# Altium PCB relay_matrix.PcbDoc (part 3 of 9) (continued)
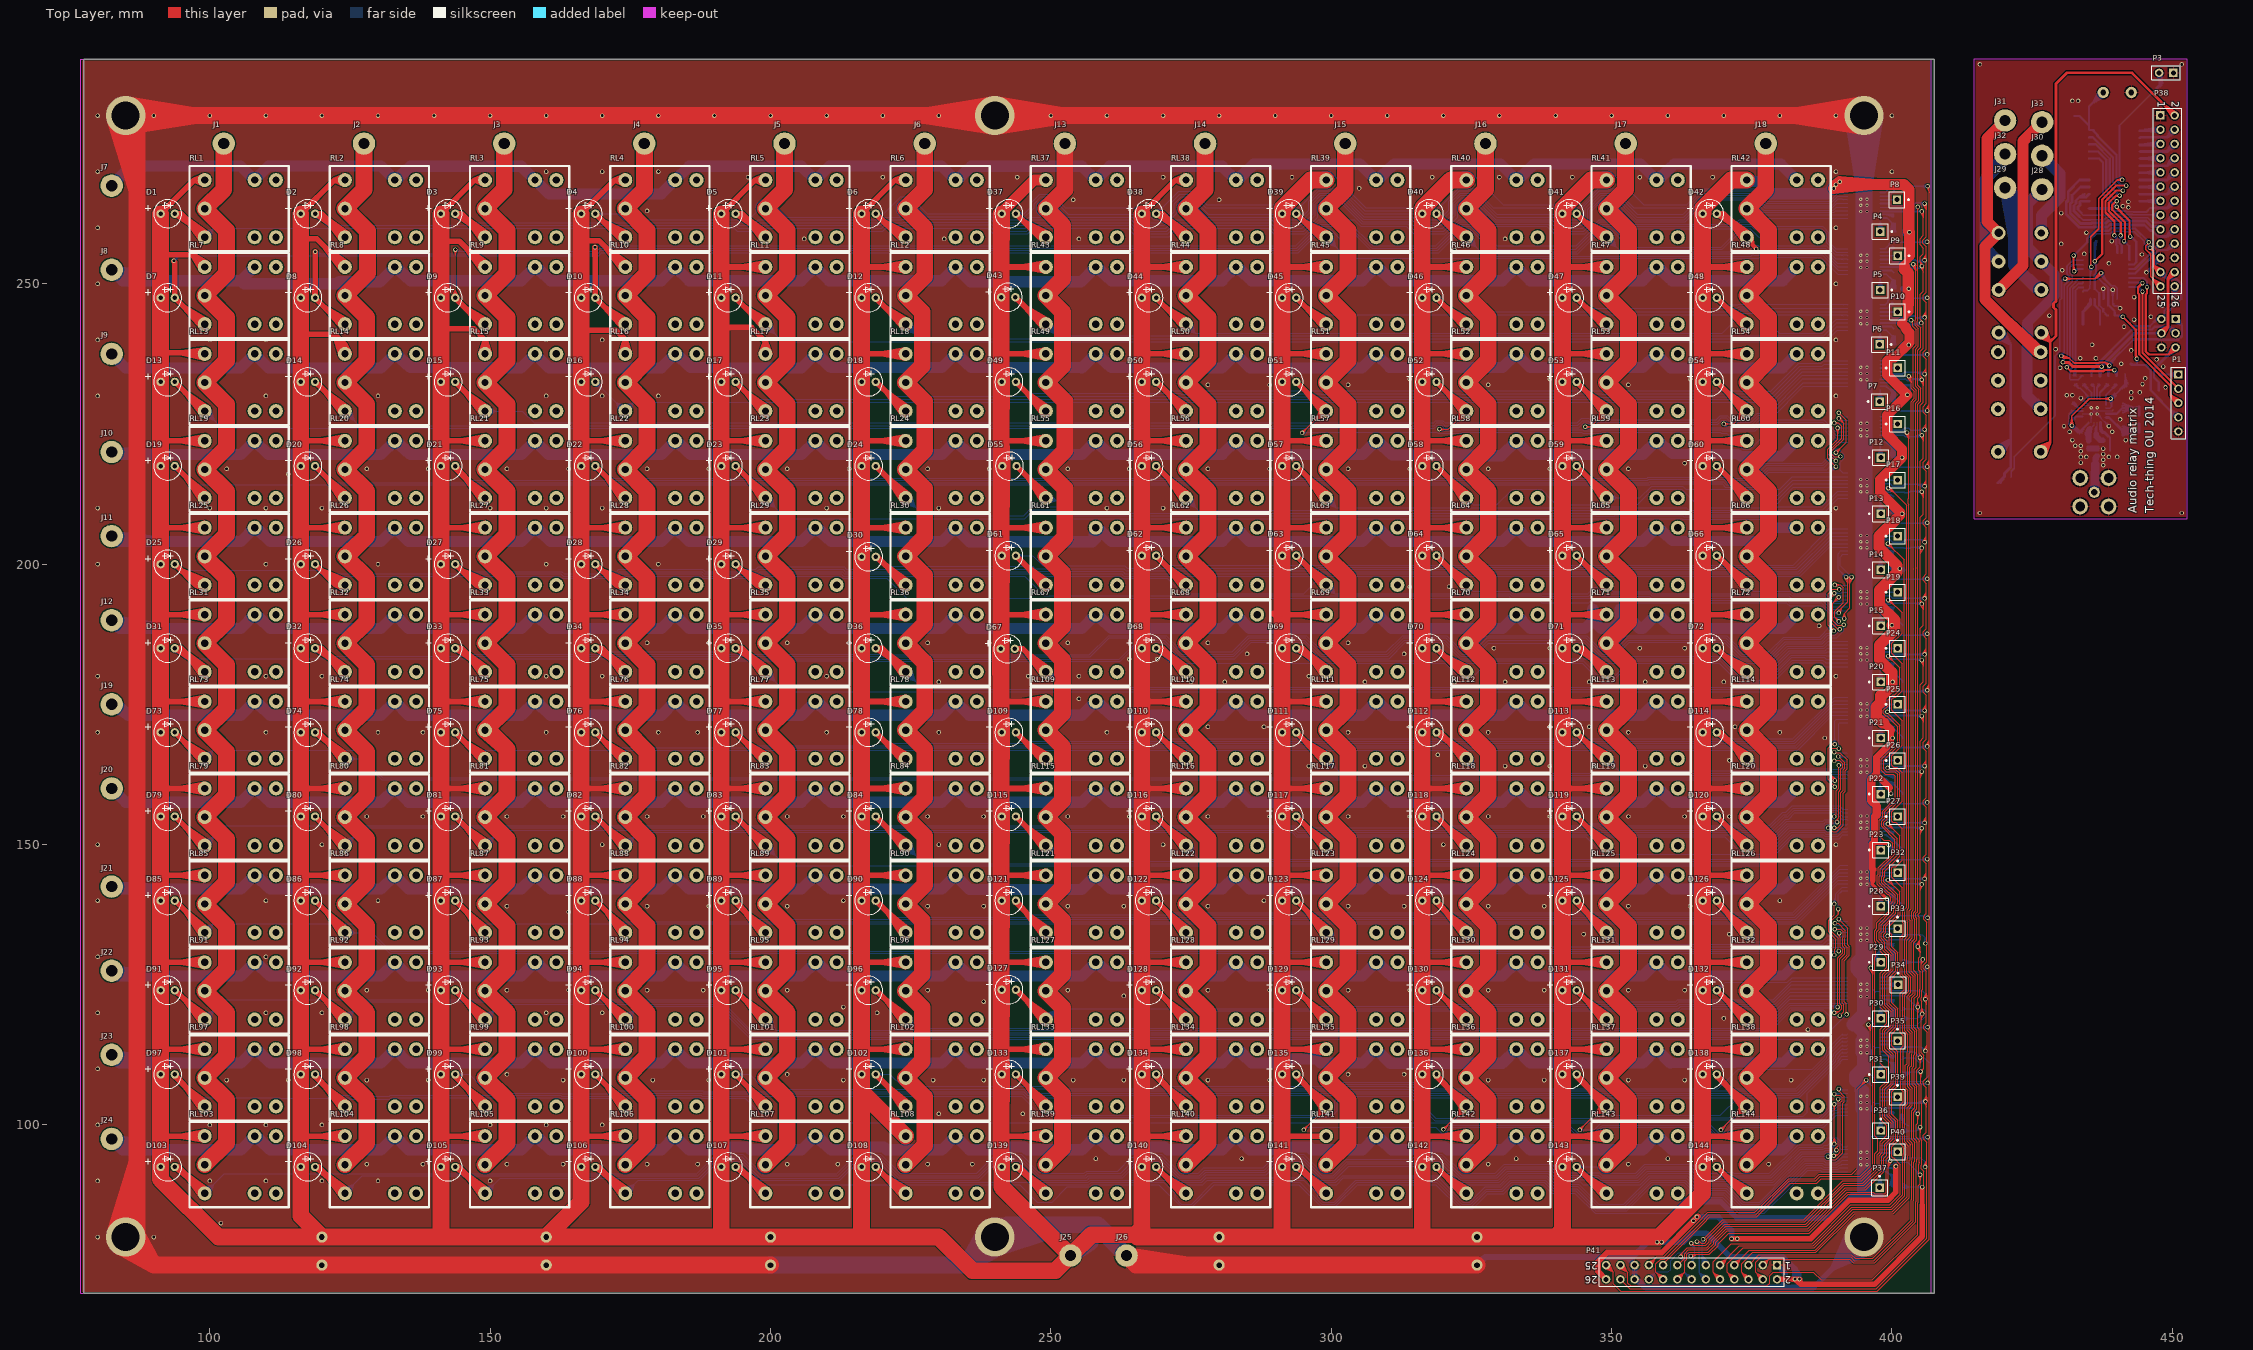
[diagram p0: Top Layer view]
## Nets (pads, with @x,y where several pads share a name; then routed paths per layer and width w, separated by ;. In a path a pad name is that pad's centre, name@x,y a point inside that pad or via, vN(x,y) a via of type N, cw(c..) or ccw(c..) an arc to the next point about the centre after c; other vN are vias at no path point) (continued)
  Bottom Layer w0.2: RL1.3@98.52,259.293 100.7,259.9 ; RL1.3@98.584,259.098 100.7,259.9 ; RL1.3@98.665,258.911 100.7,259.9 ; RL1.3@98.761,258.733 100.7,259.9 ; RL1.3@98.872,258.566 100.7,259.9 ; RL1.3@98.997,258.41 100.7,259.9 ; RL1.3@99.1,258.3 100.7,259.9 ; RL1.3@99.21,258.198 100.7,259.9 ; RL1.3@99.366,258.072 100.7,259.9 ; RL1.3@99.533,257.961 100.7,259.9 ; RL1.3@99.711,257.865 100.7,259.9 ; RL1.3@99.898,257.784 100.7,259.9 ; RL1.3@100.093,257.72 100.7,259.9 ; 390.5,261.725 U1.2@391.275,261.725 ; U1.2@392.1,261.725 377.233,261.725 376.558,261.05 372.961,261.05 372.161,260.25 351.605,260.25 350.405,261.45 347.795,261.45 345.245,258.9 339.739,258.9 338.389,260.25 326.605,260.25 325.405,261.45 322.795,261.45 320.245,258.9 314.739,258.9 313.339,260.3 305.247,260.3 304.097,261.45 297.795,261.45 295.245,258.9 289.739,258.9 288.739,259.9 272.58,259.9 271.08,258.4 265.239,258.4 263.739,259.9 246.873,259.9 245.873,258.9 239.739,258.9 238.739,259.9 220.554,259.9 220.054,259.4 214.946,259.4 214.446,259.9 198.437,259.9 197.937,259.4 194.042,259.4 193.542,259.9 100.7,259.9
CONTROL_1: D2.2 RL2.3 U1.3 | length 332.8
  Top Layer w1: 122.284,260.116 D2.2@118.77,262.5 ; RL2.3@123.53,257.813 120.729,261.671 ; RL2.3@124.587,258.87 120.729,261.671 ; D2.2@118.77,262.5 119.9,262.5 ; D2.2@118.77,262.5 119.9,262.5 ; 119.9,262.5 RL2.3@124.1,258.3 120.729,261.671
  Bottom Layer w0.2: D2.2@118.409,261.959 119.944,261.326 ; D2.2@118.498,262.142 119.944,261.326 ; D2.2@118.607,262.31 119.944,261.326 ; D2.2@118.77,262.5 120.87,260.4 193.749,260.4 194.249,259.9 197.73,259.9 198.23,260.4 214.653,260.4 215.153,259.9 219.847,259.9 220.347,260.4 223.793,260.4 223.893,260.5 238.846,260.5 239.946,259.4 245.666,259.4 246.666,260.4 263.946,260.4 265.446,258.9 270.873,258.9 272.373,260.4 288.946,260.4 289.946,259.4 295.054,259.4 297.55,261.896 297.55,264.042 298.458,264.95 301.163,264.95 305.413,260.7 313.646,260.7 314.946,259.4 320.054,259.4 322.55,261.896 322.55,264.042 323.458,264.95 324.742,264.95 329.042,260.65 338.696,260.65 339.946,259.4 345.054,259.4 346.5,260.846 346.5,262.992 348.458,264.95 349.742,264.95 354.042,260.65 371.995,260.65 372.795,261.45 376.392,261.45 377.292,262.35 392.075,262.35 U1.3@392.1,262.375 ; D2.2@118.96,262.663 119.944,261.326 ; D2.2@119.128,262.772 119.944,261.326 ; D2.2@119.311,262.861 119.944,261.326 ; 390.5,262.35 U1.3@391.275,262.375
CONTROL_2: D3.2 RL3.3 U1.4 | length 309.1
  Top Layer w1: 147.284,260.116 D3.2@143.77,262.5 ; RL3.3@148.53,257.813 145.729,261.671 ; RL3.3@149.587,258.87 145.729,261.671 ; D3.2@143.77,262.5 144.9,262.5 ; D3.2@143.77,262.5 144.9,262.5 ; 144.9,262.5 RL3.3@149.1,258.3 145.729,261.671
  Bottom Layer w0.2: D3.2@143.409,261.959 144.944,261.326 ; D3.2@143.498,262.142 144.944,261.326 ; D3.2@143.607,262.31 144.944,261.326 ; D3.2@143.77,262.5 145.37,260.9 182.586,260.9 193.956,260.9 194.456,260.4 197.523,260.4 198.023,260.9 214.86,260.9 215.36,260.4 219.64,260.4 220.14,260.9 223.586,260.9 223.686,261 239.053,261 240.153,259.9 245.459,259.9 246.459,260.9 264.153,260.9 265.653,259.4 270.666,259.4 272.166,260.9 289.153,260.9 290.153,259.9 294.847,259.9 297.15,262.203 297.15,264.208 298.292,265.35 301.328,265.35 305.578,261.1 313.953,261.1 315.153,259.9 319.847,259.9 322.15,262.203 322.15,264.208 323.292,265.35 324.908,265.35 329.208,261.05 339.003,261.05 340.153,259.9 344.847,259.9 346.1,261.153 346.1,263.158 348.292,265.35 349.908,265.35 354.208,261.05 363.15,261.05 367.05,264.95 374.742,264.95 376.942,262.75 389.717,262.75 389.992,263.025 U1.4@392.1,263.025 ; D3.2@143.96,262.663 144.944,261.326 ; D3.2@144.128,262.772 144.944,261.326 ; D3.2@144.311,262.861 144.944,261.326 ; 390.5,263.025 U1.4@391.275,263.025
CONTROL_3: D4.2 RL4.3 U1.5 | length 276.6
  Top Layer w1: D4.2@168.77,262.5 172.97,258.3 RL4.3@174.1,258.3 170.147,261.123 ; RL4.3@173.618,257.725 170.147,261.123 ; RL4.3@174.487,258.942 170.147,261.123
  Bottom Layer w0.2: D4.2@168.77,262.5 172.737,262.5 173.837,261.4 182.379,261.4 194.163,261.4 194.663,260.9 197.316,260.9 197.816,261.4 215.067,261.4 215.567,260.9 219.433,260.9 219.933,261.4 223.379,261.4 223.479,261.5 239.26,261.5 240.36,260.4 245.251,260.4 246.251,261.4 264.36,261.4 265.86,259.9 270.459,259.9 271.959,261.4 289.36,261.4 290.36,260.4 294.64,260.4 296.75,262.51 296.75,264.373 298.127,265.75 301.494,265.75 305.744,261.5 314.26,261.5 315.36,260.4 319.64,260.4 321.75,262.51 321.75,264.373 323.127,265.75 325.073,265.75 329.373,261.45 339.31,261.45 340.36,260.4 344.64,260.4 345.7,261.46 345.7,263.323 348.127,265.75 350.073,265.75 354.373,261.45 362.984,261.45 366.884,265.35 374.908,265.35 377.108,263.15 389.551,263.15 390.076,263.675 U1.5@392.1,263.675 ; D4.2@168.793,262.251 170.12,262.5 ; D4.2@168.793,262.749 170.12,262.5 ; D4.2@168.845,262.056 170.12,262.5 ; D4.2@168.845,262.944 170.12,262.5 ; D4.2@168.926,261.869 170.12,262.5 ; D4.2@168.926,263.131 170.12,262.5 ; 390.5,263.675 U1.5@391.275,263.675
CONTROL_4: D5.2 RL5.3 U1.6 | length 264.1
  Top Layer w1: 197.284,260.116 D5.2@193.77,262.5 ; RL5.3@198.53,257.813 195.729,261.671 ; RL5.3@199.587,258.87 195.729,261.671 ; D5.2@193.77,262.5 194.9,262.5 ; D5.2@193.77,262.5 194.9,262.5 ; 194.9,262.5 RL5.3@199.1,258.3 195.729,261.671
  Bottom Layer w0.2: D5.2@193.77,262.5 194.87,261.4 196.163,261.4 197.5,262.737 197.5,264.063 198.437,265 199.763,265 202.863,261.9 215.274,261.9 215.774,261.4 219.226,261.4 219.726,261.9 223.072,261.9 223.172,262 223.172,262.066 222.5,262.737 222.5,264.063 223.437,265 224.763,265 227.763,262 239.467,262 240.567,260.9 245.044,260.9 246.044,261.9 248.072,261.9 248.172,262 248.172,262.066 247.5,262.737 247.5,264.063 248.437,265 249.763,265 252.863,261.9 264.567,261.9 266.067,260.4 270.251,260.4 272.5,262.649 272.5,264.063 273.437,265 274.763,265 277.863,261.9 289.567,261.9 290.567,260.9 294.433,260.9 296.35,262.817 296.35,264.539 297.961,266.15 301.66,266.15 305.81,262 314.467,262 315.567,260.9 319.433,260.9 321.35,262.817 321.35,264.539 322.961,266.15 325.239,266.15 329.489,261.9 339.567,261.9 340.567,260.9 344.433,260.9 345.3,261.767 345.3,263.489 347.961,266.15 350.239,266.15 354.489,261.9 362.869,261.9 366.719,265.75 375.073,265.75 377.273,263.55 389.386,263.55 390.161,264.325 U1.6@392.1,264.325 ; 390.5,264.325 U1.6@391.275,264.325
CONTROL_5: D6.2 RL6.3 U1.7 | length 225.3
  Top Layer w1: D6.2@218.77,262.5 222.97,258.3 RL6.3@224.1,258.3 220.147,261.123 ; RL6.3@223.618,257.725 220.147,261.123 ; RL6.3@224.487,258.942 220.147,261.123
  Bottom Layer w0.2: D6.2@218.77,262.5 220.23,262.5 223.23,265.5 224.97,265.5 227.97,262.5 239.674,262.5 240.774,261.4 244.837,261.4 247,263.563 247,264.27 248.23,265.5 249.97,265.5 253.07,262.4 264.774,262.4 266.274,260.9 270.044,260.9 272,262.856 272,264.27 273.23,265.5 274.97,265.5 278.07,262.4 289.774,262.4 290.774,261.4 294.226,261.4 295.95,263.124 295.95,264.705 297.795,266.55 301.826,266.55 305.875,262.5 314.674,262.5 315.774,261.4 319.226,261.4 320.95,263.124 320.95,264.705 322.795,266.55 325.405,266.55 329.555,262.4 339.774,262.4 340.774,261.4 344.226,261.4 344.87,262.044 344.87,263.625 347.795,266.55 350.405,266.55 354.555,262.4 362.803,262.4 366.553,266.15 375.239,266.15 377.439,263.95 389.22,263.95 390.395,265.125 391.033,265.125 ; U1.7@392.1,264.975 391.975,265.1 391.058,265.1 ; 391.033,265.125 U1.7@391.275,264.975 ; 391.033,265.125 391.058,265.1 ; 391.058,265.1 U1.7@391.275,264.975 ; 391.058,265.1 U1.7@391.275,264.975
CONTROL_6: D37.2 RL37.3 U1.8 | length 198.2
  Top Layer w1: D37.2@243.77,262.5 247.97,258.3 RL37.3@249.1,258.3 245.147,261.123 ; RL37.3@248.618,257.725 245.147,261.123 ; RL37.3@249.487,258.942 245.147,261.123
  Bottom Layer w0.2: D37.2@243.77,262.5 245.23,262.5 246.5,263.77 246.5,264.477 248.023,266 250.177,266 252.577,263.6 266.686,263.6 267.67,262.616 267.67,262.044 268.314,261.4 269.837,261.4 271.5,263.063 271.5,264.477 273.023,266 275.177,266 277.577,263.6 294.28,263.6 297.63,266.95 301.991,266.95 305.941,263 315.174,263 315.774,263.6 319.28,263.6 322.63,266.95 325.57,266.95 328.92,263.6 344.28,263.6 347.63,266.95 350.57,266.95 353.92,263.6 363.437,263.6 366.387,266.55 375.405,266.55 377.605,264.35 389.054,264.35 390.329,265.625 U1.8@392.1,265.625 ; D37.2@243.793,262.251 245.12,262.5 ; D37.2@243.793,262.749 245.12,262.5 ; D37.2@243.845,262.056 245.12,262.5 ; D37.2@243.845,262.944 245.12,262.5 ; D37.2@243.926,261.869 245.12,262.5 ; D37.2@243.926,263.131 245.12,262.5 ; 390.5,265.625 U1.8@391.275,265.625
CONTROL_7: D38.2 RL38.3 U1.9 | length 183
  Top Layer w1: 272.284,260.116 D38.2@268.77,262.5 ; RL38.3@273.53,257.813 270.729,261.671 ; RL38.3@274.587,258.87 270.729,261.671 ; D38.2@268.77,262.5 269.9,262.5 ; D38.2@268.77,262.5 269.9,262.5 ; 269.9,262.5 RL38.3@274.1,258.3 270.729,261.671
  Bottom Layer w0.2: D38.2@268.42,263.048 269.963,263.647 ; D38.2@268.505,262.864 269.963,263.647 ; D38.2@268.611,262.693 269.963,263.647 ; D38.2@268.956,262.333 269.963,263.647 ; D38.2@269.123,262.221 269.963,263.647 ; D38.2@269.304,262.129 269.963,263.647 ; 390.5,266.275 U1.9@391.275,266.275 ; U1.9@392.1,266.275 390.413,266.275 388.888,264.75 377.77,264.75 375.57,266.95 373.812,266.95 366.222,266.95 363.372,264.1 355.692,264.1 349.742,270.05 348.458,270.05 342.508,264.1 330.692,264.1 324.742,270.05 323.458,270.05 317.508,264.1 315.567,264.1 315.067,263.6 306.192,263.6 299.742,270.05 298.458,270.05 292.508,264.1 277.784,264.1 275.384,266.5 272.816,266.5 268.816,262.5 D38.2@268.77,262.5 269.963,263.647
CONTROL_8: D39.2 RL39.3 U2.2 | length 146.7
  Top Layer w1: D39.2@293.77,262.5 297.97,258.3 RL39.3@299.1,258.3 295.147,261.123 ; RL39.3@298.618,257.725 295.147,261.123 ; RL39.3@299.487,258.942 295.147,261.123
  Bottom Layer w0.2: RL39.3@298.509,257.314 300.774,256.626 ; RL39.3@298.577,257.507 300.774,256.626 ; RL39.3@298.66,257.692 300.774,256.626 ; RL39.3@298.759,257.869 300.774,256.626 ; RL39.3@298.871,258.035 300.774,256.626 ; RL39.3@298.997,258.191 300.774,256.626 ; RL39.3@299.1,258.3 302.85,254.55 376.271,254.55 376.471,254.75 387.313,254.75 390.338,251.725 U2.2@392.1,251.725 ; RL39.3@299.209,258.403 300.774,256.626 ; RL39.3@299.365,258.529 300.774,256.626 ; RL39.3@299.531,258.641 300.774,256.626 ; RL39.3@299.708,258.74 300.774,256.626 ; RL39.3@299.893,258.823 300.774,256.626 ; RL39.3@300.086,258.891 300.774,256.626 ; 390.5,251.725 U2.2@391.275,251.725
CONTROL_9: D40.2 RL40.3 U2.3 | length 121.5
  Top Layer w1: D40.2@318.77,262.5 322.97,258.3 RL40.3@324.1,258.3 320.147,261.123 ; RL40.3@323.618,257.725 320.147,261.123 ; RL40.3@324.487,258.942 320.147,261.123
  Bottom Layer w0.2: RL40.3@323.509,257.314 325.774,256.626 ; RL40.3@323.577,257.507 325.774,256.626 ; RL40.3@323.66,257.692 325.774,256.626 ; RL40.3@323.759,257.869 325.774,256.626 ; RL40.3@323.871,258.035 325.774,256.626 ; RL40.3@323.997,258.191 325.774,256.626 ; RL40.3@324.1,258.3 327.45,254.95 374.881,254.95 375.081,255.15 375.294,255.15 375.344,255.1 376.256,255.1 376.306,255.15 387.606,255.15 390.381,252.375 U2.3@392.1,252.375 ; RL40.3@324.209,258.403 325.774,256.626 ; RL40.3@324.365,258.529 325.774,256.626 ; RL40.3@324.531,258.641 325.774,256.626 ; RL40.3@324.708,258.74 325.774,256.626 ; RL40.3@324.893,258.823 325.774,256.626 ; RL40.3@325.086,258.891 325.774,256.626 ; 390.5,252.375 U2.3@391.275,252.375
CONTROL_10: D41.2 RL41.3 U2.4 | length 96.2
  Top Layer w1: D41.2@343.77,262.5 347.97,258.3 RL41.3@349.1,258.3 345.147,261.123 ; RL41.3@348.618,257.725 345.147,261.123 ; RL41.3@349.487,258.942 345.147,261.123
  Bottom Layer w0.2: RL41.3@348.509,257.314 350.774,256.626 ; RL41.3@348.577,257.507 350.774,256.626 ; RL41.3@348.66,257.692 350.774,256.626 ; RL41.3@348.759,257.869 350.774,256.626 ; RL41.3@348.871,258.035 350.774,256.626 ; RL41.3@348.997,258.191 350.774,256.626 ; RL41.3@349.1,258.3 352.05,255.35 374.716,255.35 374.916,255.55 375.46,255.55 375.51,255.5 376.09,255.5 376.14,255.55 387.772,255.55 390.297,253.025 U2.4@392.1,253.025 ; RL41.3@349.209,258.403 350.774,256.626 ; RL41.3@349.365,258.529 350.774,256.626 ; RL41.3@349.531,258.641 350.774,256.626 ; RL41.3@349.708,258.74 350.774,256.626 ; RL41.3@349.893,258.823 350.774,256.626 ; RL41.3@350.086,258.891 350.774,256.626 ; 390.5,253.025 U2.4@391.275,253.025
CONTROL_11: D42.2 RL42.3 U2.5 | length 121.8
  Top Layer w0.2: RL42.3@373.403,257.385 375.459,256.541 ; RL42.3@373.49,257.572 375.459,256.541 ; RL42.3@373.592,257.748 375.459,256.541 ; RL42.3@373.71,257.912 375.459,256.541 ; RL42.3@373.841,258.065 375.459,256.541 ; RL42.3@373.984,258.204 375.459,256.541 ; RL42.3@374.222,258.388 375.459,256.541 ; RL42.3@374.393,258.492 375.459,256.541 ; RL42.3@374.573,258.58 375.459,256.541 ; RL42.3@374.762,258.652 375.459,256.541 ; RL42.3@374.959,258.707 375.459,256.541 ; RL42.3@375.161,258.744 375.459,256.541 ; v1@375.511,256.12 375.372,257.182 ; v1@375.516,256.104 375.316,257.16 ; v1@375.522,256.088 375.263,257.134 ; v1@375.528,256.074 375.213,257.108 ; v1@375.535,256.06 375.163,257.083 ; v1@375.543,256.046 375.111,257.06 ; v1@375.549,256.036 375.069,257.046 ; v1@375.556,256.026 375.022,257.034 ; v1@375.562,256.017 374.976,257.024 v1@375.983,256.438 ; v1@375.565,256.013 374.971,257.001 ; v1@375.574,256.002 374.955,256.936 ; v1@375.584,255.992 374.936,256.879 ; v1@375.595,255.981 374.913,256.827 ; v1@375.606,255.971 374.887,256.776 ; v1@375.923,256.474 374.887,256.776 ; v1@375.938,256.467 374.913,256.827 ; v1@375.951,256.459 374.936,256.879 ; v1@375.965,256.451 374.955,256.936 ; v1@375.979,256.441 374.971,257.001 ; v1@375.991,256.432 375.022,257.034 ; v1@375.999,256.425 375.069,257.046 ; v1@376.006,256.418 375.111,257.06 ; v1@376.017,256.407 375.163,257.083 ; v1@376.027,256.396 375.213,257.108 ; v1@376.037,256.384 375.263,257.134 ; v1@376.046,256.371 375.316,257.16 ; v1@376.056,256.357 375.372,257.182 ; 374.887,256.776 v1(375.8,256.2) ; 374.913,256.827 v1(375.8,256.2) ; 374.936,256.879 v1(375.8,256.2) ; 374.955,256.936 v1(375.8,256.2) ; 374.971,257.001 v1(375.8,256.2) ; 375.022,257.034 v1(375.8,256.2) ; 375.069,257.046 v1(375.8,256.2) ; 375.111,257.06 v1(375.8,256.2) ; 375.163,257.083 v1(375.8,256.2) ; 375.213,257.108 v1(375.8,256.2) ; 375.263,257.134 v1(375.8,256.2) ; 375.316,257.16 v1(375.8,256.2) ; 375.372,257.182 v1(375.8,256.2) ; 375.459,256.541 RL42.3@374.1,258.3 374.1,257.9 v1(375.8,256.2)
  Top Layer w1: 372.284,260.116 D42.2@368.77,262.5 ; RL42.3@373.53,257.813 370.729,261.671 ; RL42.3@374.587,258.87 370.729,261.671 ; D42.2@368.77,262.5 369.9,262.5 ; D42.2@368.77,262.5 369.9,262.5 ; 369.9,262.5 RL42.3@374.1,258.3 370.729,261.671
  Bottom Layer w0.2: v1(375.8,256.2) 376.05,255.95 376.45,255.95 387.937,255.95 390.212,253.675 U2.5@392.1,253.675 ; 390.5,253.675 U2.5@391.275,253.675
CONTROL_12: D7.2 RL7.3 U2.6 | length 342.6
  Top Layer w1: v1@93.6,254 93.77,253.83 D7.2@93.77,247.5 98.47,242.8 RL7.3@99.1,242.8 95.454,245.816 ; RL7.3@98.578,242.262 95.454,245.816 ; RL7.3@99.531,243.414 95.454,245.816
  Bottom Layer w0.2: v1@93.417,254.338 94.424,254.924 v1@93.838,253.917 ; v1(93.6,254.1) 94.5,255 169.331,255 169.881,255.55 294.158,255.55 298.458,259.85 299.742,259.85 304.042,255.55 319.158,255.55 323.458,259.85 324.742,259.85 329.242,255.35 343.958,255.35 348.458,259.85 349.742,259.85 353.842,255.75 374.36,255.75 375.51,256.9 376.09,256.9 376.64,256.35 388.103,256.35 389.953,254.5 391.925,254.5 U2.6@392.1,254.325 ; 390.495,254.5 U2.6@391.275,254.325
CONTROL_13: D8.2 RL8.3 U2.7 | length 329.4
  Top Layer w1: 118.8,251.251 D8.2@118.77,247.5 ; 118.8,252.3 v1(118.8,255.7) 118.8,247.53 D8.2@118.77,247.5 ; RL8.3@123.578,242.262 120.454,245.816 ; RL8.3@124.531,243.414 120.454,245.816 ; D8.2@118.77,247.5 123.47,242.8 RL8.3@124.1,242.8 120.454,245.816
  Bottom Layer w0.2: v1@118.763,255.402 120.014,255.4 ; v1@118.906,255.981 120.014,255.4 ; 390.494,255.15 U2.7@391.275,254.975 ; U2.7@392.1,254.975 391.925,255.15 389.869,255.15 388.269,256.75 377.842,256.75 374.742,259.85 373.458,259.85 369.758,256.15 354.008,256.15 349.908,260.25 348.292,260.25 343.792,255.75 329.408,255.75 324.908,260.25 323.292,260.25 318.992,255.95 307.027,255.95 302.727,260.25 298.292,260.25 293.992,255.95 169.716,255.95 169.166,255.4 119.1,255.4 v1(118.8,255.7) 120.014,255.4
CONTROL_14: D9.2 RL9.3 U2.8 | length 310.9
  Top Layer w0.2: D9.2@143.143,247.67 143.8,248.851 ; D9.2@143.328,247.585 143.8,248.851 ; v1@143.503,256.055 143.8,255.1 ; D9.2@143.522,247.529 143.8,248.851 ; D9.2@144.019,247.518 143.8,248.851 ; v1@144.097,256.055 143.8,255.1 ; D9.2@144.215,247.565 143.8,248.851 ; D9.2@144.404,247.642 143.8,248.851 ; 143.8,248.851 D9.2@143.77,247.5 143.8,247.53 v1(143.8,256.1) 143.8,255.1
  Top Layer w1: D9.2@143.77,247.5 148.47,242.8 RL9.3@149.1,242.8 145.454,245.816 ; RL9.3@148.578,242.262 145.454,245.816 ; RL9.3@149.531,243.414 145.454,245.816
  Bottom Layer w0.2: v1@143.763,255.802 145.012,255.8 ; v1@143.907,256.38 145.012,255.8 ; 390.5,255.625 U2.8@391.275,255.625 ; U2.8@392.1,255.625 390.052,255.625 388.35,257.327 388.35,258.942 387.442,259.85 375.308,259.85 374.908,260.25 373.292,260.25 369.592,256.55 354.173,256.55 350.073,260.65 348.127,260.65 343.627,256.15 329.573,256.15 325.073,260.65 323.127,260.65 318.827,256.35 307.192,256.35 302.892,260.65 298.127,260.65 293.827,256.35 169.55,256.35 169,255.8 144.1,255.8 v1(143.8,256.1) 145.012,255.8
CONTROL_15: D10.2 RL10.3 U2.9 | length 270.7
  Top Layer w1: 168.77,253.093 v1(168.7,256.5) 168.77,256.43 D10.2@168.77,247.5 173.47,242.8 RL10.3@174.1,242.8 170.454,245.816 ; RL10.3@173.578,242.262 170.454,245.816 ; RL10.3@174.531,243.414 170.454,245.816
  Bottom Layer w0.2: v1@168.893,256.693 168.95,256.75 293.661,256.75 297.961,261.05 303.058,261.05 307.358,256.75 318.661,256.75 322.961,261.05 325.239,261.05 329.539,256.75 343.661,256.75 347.961,261.05 350.239,261.05 351.439,259.85 372.327,259.85 373.127,260.65 375.073,260.65 375.473,260.25 387.608,260.25 388.75,259.108 388.75,257.492 389.967,256.275 U2.9@392.1,256.275 ; 390.5,256.275 U2.9@391.275,256.275
  Bottom Layer w0.3: v1(168.7,256.5) v1@168.893,256.693
CONTROL_16: D11.2 RL11.3 U3.2 | length 245.8
  Top Layer w1: D11.2@193.77,247.5 198.47,242.8 RL11.3@199.1,242.8 195.454,245.816 ; RL11.3@198.578,242.262 195.454,245.816 ; RL11.3@199.531,243.414 195.454,245.816
  Bottom Layer w0.2: RL11.3@198.509,241.814 200.774,241.126 ; RL11.3@198.577,242.007 200.774,241.126 ; RL11.3@198.66,242.192 200.774,241.126 ; RL11.3@198.759,242.369 200.774,241.126 ; RL11.3@198.871,242.535 200.774,241.126 ; RL11.3@198.997,242.691 200.774,241.126 ; RL11.3@199.1,242.8 202.2,239.7 388.221,239.7 390.246,241.725 U3.2@392.1,241.725 ; RL11.3@199.209,242.903 200.774,241.126 ; RL11.3@199.365,243.029 200.774,241.126 ; RL11.3@199.531,243.141 200.774,241.126 ; RL11.3@199.708,243.24 200.774,241.126 ; RL11.3@199.893,243.323 200.774,241.126 ; RL11.3@200.086,243.391 200.774,241.126 ; 390.5,241.725 U3.2@391.275,241.725
CONTROL_17: D12.2 RL12.3 U3.3 | length 220.6
  Top Layer w1: D12.2@218.77,247.5 223.47,242.8 RL12.3@224.1,242.8 220.454,245.816 ; RL12.3@223.578,242.262 220.454,245.816 ; RL12.3@224.531,243.414 220.454,245.816
  Bottom Layer w0.2: RL12.3@223.509,241.814 225.774,241.126 ; RL12.3@223.577,242.007 225.774,241.126 ; RL12.3@223.66,242.192 225.774,241.126 ; RL12.3@223.759,242.369 225.774,241.126 ; RL12.3@223.871,242.535 225.774,241.126 ; RL12.3@223.997,242.691 225.774,241.126 ; RL12.3@224.1,242.8 226.7,240.2 388.014,240.2 390.189,242.375 U3.3@392.1,242.375 ; RL12.3@224.209,242.903 225.774,241.126 ; RL12.3@224.365,243.029 225.774,241.126 ; RL12.3@224.531,243.141 225.774,241.126 ; RL12.3@224.708,243.24 225.774,241.126 ; RL12.3@224.893,243.323 225.774,241.126 ; RL12.3@225.086,243.391 225.774,241.126 ; 390.5,242.375 U3.3@391.275,242.375
CONTROL_18: D43.2 RL43.3 U3.4 | length 195.6
  Top Layer w1: D43.2@243.67,247.6 248.47,242.8 RL43.3@249.1,242.8 245.453,245.817 ; RL43.3@248.578,242.262 245.453,245.817 ; RL43.3@249.531,243.414 245.453,245.817
  Bottom Layer w0.2: RL43.3@248.509,241.814 250.774,241.126 ; RL43.3@248.577,242.007 250.774,241.126 ; RL43.3@248.66,242.192 250.774,241.126 ; RL43.3@248.759,242.369 250.774,241.126 ; RL43.3@248.871,242.535 250.774,241.126 ; RL43.3@248.997,242.691 250.774,241.126 ; RL43.3@249.1,242.8 251.2,240.7 378.392,240.7 387.807,240.7 390.132,243.025 U3.4@392.1,243.025 ; RL43.3@249.209,242.903 250.774,241.126 ; RL43.3@249.365,243.029 250.774,241.126 ; RL43.3@249.531,243.141 250.774,241.126 ; RL43.3@249.708,243.24 250.774,241.126 ; RL43.3@249.893,243.323 250.774,241.126 ; RL43.3@250.086,243.391 250.774,241.126 ; 390.5,243.025 U3.4@391.275,243.025
CONTROL_19: D44.2 RL44.3 U3.5 | length 172
  Top Layer w1: D44.2@268.77,247.5 273.47,242.8 RL44.3@274.1,242.8 270.454,245.816 ; RL44.3@273.578,242.262 270.454,245.816 ; RL44.3@274.531,243.414 270.454,245.816
  Bottom Layer w0.2: RL44.3@273.52,241.807 275.7,241.2 ; RL44.3@273.584,242.002 275.7,241.2 ; RL44.3@273.665,242.189 275.7,241.2 ; RL44.3@273.761,242.367 275.7,241.2 ; RL44.3@273.872,242.534 275.7,241.2 ; RL44.3@273.997,242.69 275.7,241.2 ; RL44.3@274.1,242.8 275.7,241.2 ; RL44.3@274.21,242.903 275.7,241.2 ; RL44.3@274.366,243.028 275.7,241.2 ; RL44.3@274.533,243.139 275.7,241.2 ; RL44.3@274.711,243.235 275.7,241.2 ; RL44.3@274.898,243.316 275.7,241.2 ; RL44.3@275.093,243.38 275.7,241.2 ; 390.5,243.675 U3.5@391.275,243.675 ; U3.5@392.1,243.675 390.075,243.675 387.6,241.2 379.9,241.2 376.35,244.75 373.25,244.75 369.7,241.2 275.7,241.2
CONTROL_20: D45.2 RL45.3 U3.6 | length 132.5
  Top Layer w1: D45.2@293.77,247.5 298.47,242.8 RL45.3@299.1,242.8 295.454,245.816 ; RL45.3@298.578,242.262 295.454,245.816 ; RL45.3@299.531,243.414 295.454,245.816
  Bottom Layer w0.2: D45.2@293.409,246.959 294.944,246.326 ; D45.2@293.498,247.142 294.944,246.326 ; D45.2@293.607,247.31 294.944,246.326 ; D45.2@293.77,247.5 296.82,244.45 372.384,244.45 373.084,245.15 376.516,245.15 377.216,244.45 391.975,244.45 U3.6@392.1,244.325 ; D45.2@293.96,247.663 294.944,246.326 ; D45.2@294.128,247.772 294.944,246.326 ; D45.2@294.311,247.861 294.944,246.326 ; 390.492,244.45 U3.6@391.275,244.325
CONTROL_21: D46.2 RL46.3 U3.7 | length 107.1
  Top Layer w1: D46.2@318.77,247.5 323.47,242.8 RL46.3@324.1,242.8 320.454,245.816 ; RL46.3@323.578,242.262 320.454,245.816 ; RL46.3@324.531,243.414 320.454,245.816
  Bottom Layer w0.2: D46.2@318.409,246.959 319.944,246.326 ; D46.2@318.498,247.142 319.944,246.326 ; D46.2@318.607,247.31 319.944,246.326 ; D46.2@318.77,247.5 321.295,244.975 372.344,244.975 372.919,245.55 376.681,245.55 377.256,244.975 U3.7@392.1,244.975 ; D46.2@318.96,247.663 319.944,246.326 ; D46.2@319.128,247.772 319.944,246.326 ; D46.2@319.311,247.861 319.944,246.326 ; 390.5,244.975 U3.7@391.275,244.975
CONTROL_22: D47.2 RL47.3 U3.8 | length 81.6
  Top Layer w1: D47.2@343.77,247.5 348.47,242.8 RL47.3@349.1,242.8 345.454,245.816 ; RL47.3@348.578,242.262 345.454,245.816 ; RL47.3@349.531,243.414 345.454,245.816
  Bottom Layer w0.2: D47.2@343.409,246.959 344.944,246.326 ; D47.2@343.498,247.142 344.944,246.326 ; D47.2@343.607,247.31 344.944,246.326 ; D47.2@343.77,247.5 345.645,245.625 372.428,245.625 372.753,245.95 376.847,245.95 377.172,245.625 U3.8@392.1,245.625 ; D47.2@343.96,247.663 344.944,246.326 ; D47.2@344.128,247.772 344.944,246.326 ; D47.2@344.311,247.861 344.944,246.326 ; 390.5,245.625 U3.8@391.275,245.625
CONTROL_23: D48.2 RL48.3 U3.9 | length 56.1
  Top Layer w1: D48.2@368.77,247.5 373.47,242.8 RL48.3@374.1,242.8 370.454,245.816 ; RL48.3@373.578,242.262 370.454,245.816 ; RL48.3@374.531,243.414 370.454,245.816
  Bottom Layer w0.2: D48.2@368.409,246.959 369.944,246.326 ; D48.2@368.498,247.142 369.944,246.326 ; D48.2@368.607,247.31 369.944,246.326 ; D48.2@368.77,247.5 369.995,246.275 372.512,246.275 372.587,246.35 392.025,246.35 U3.9@392.1,246.275 ; D48.2@368.96,247.663 369.944,246.326 ; D48.2@369.128,247.772 369.944,246.326 ; D48.2@369.311,247.861 369.944,246.326 ; 390.497,246.35 U3.9@391.275,246.275
CONTROL_24: D13.2 RL13.3 U4.2 | length 349.6
  Top Layer w1: D13.2@93.77,232.5 98.97,227.3 RL13.3@99.1,227.3 95.678,230.592 ; RL13.3@98.539,226.802 95.678,230.592 ; RL13.3@99.576,227.88 95.678,230.592
  Bottom Layer w0.2: RL13.3@98.509,226.314 100.774,225.626 ; RL13.3@98.577,226.507 100.774,225.626 ; RL13.3@98.66,226.692 100.774,225.626 ; RL13.3@98.759,226.869 100.774,225.626 ; RL13.3@98.871,227.035 100.774,225.626 ; RL13.3@98.997,227.191 100.774,225.626 ; RL13.3@99.1,227.3 102.2,224.2 318.41,224.2 319.01,224.8 319.59,224.8 320.19,224.2 322.977,224.2 323.127,224.35 344.16,224.35 345.01,225.2 345.59,225.2 345.84,224.95 368.96,224.95 369.71,225.7 370.29,225.7 371.04,224.95 375.073,224.95 376.273,226.15 378.635,226.15 384.21,231.725 U4.2@392.1,231.725 ; RL13.3@99.209,227.403 100.774,225.626 ; RL13.3@99.365,227.529 100.774,225.626 ; RL13.3@99.531,227.641 100.774,225.626 ; RL13.3@99.708,227.74 100.774,225.626 ; RL13.3@99.893,227.823 100.774,225.626 ; RL13.3@100.086,227.891 100.774,225.626 ; 390.5,231.725 U4.2@391.275,231.725
CONTROL_25: D14.2 RL14.3 U4.3 | length 328.5
  Top Layer w1: 121.699,229.701 D14.2@118.77,232.5 118.9,232.5 RL14.3@124.1,227.3 120.729,230.671 ; RL14.3@123.53,226.813 120.729,230.671 ; RL14.3@124.587,227.87 120.729,230.671
  Bottom Layer w0.2: RL14.3@123.509,226.314 125.774,225.626 ; RL14.3@123.577,226.507 125.774,225.626 ; RL14.3@123.66,226.692 125.774,225.626 ; RL14.3@123.759,226.869 125.774,225.626 ; RL14.3@123.871,227.035 125.774,225.626 ; RL14.3@123.997,227.191 125.774,225.626 ; RL14.3@124.1,227.3 126.7,224.7 318.344,224.7 318.844,225.2 319.756,225.2 320.256,224.7 322.911,224.7 322.961,224.75 343.994,224.75 344.844,225.6 345.756,225.6 346.006,225.35 368.794,225.35 369.544,226.1 370.456,226.1 371.206,225.35 374.908,225.35 376.108,226.55 378.328,226.55 384.153,232.375 U4.3@392.1,232.375 ; RL14.3@124.209,227.403 125.774,225.626 ; RL14.3@124.365,227.529 125.774,225.626 ; RL14.3@124.531,227.641 125.774,225.626 ; RL14.3@124.708,227.74 125.774,225.626 ; RL14.3@124.893,227.823 125.774,225.626 ; RL14.3@125.086,227.891 125.774,225.626 ; 390.5,232.375 U4.3@391.275,232.375